# Altium PCB SEG_pressure gauge_don  V2.3.PcbDoc (part 3 of 4)
Units mil, origin at the board's own origin, x right, y up, seen from the top; angles counter-clockwise.
Board outline 2755.91 x 2755.91 mil, 2 copper layers (Top Layer, Bottom Layer); 36 components, 44 nets, 129 pads, 10 vias.
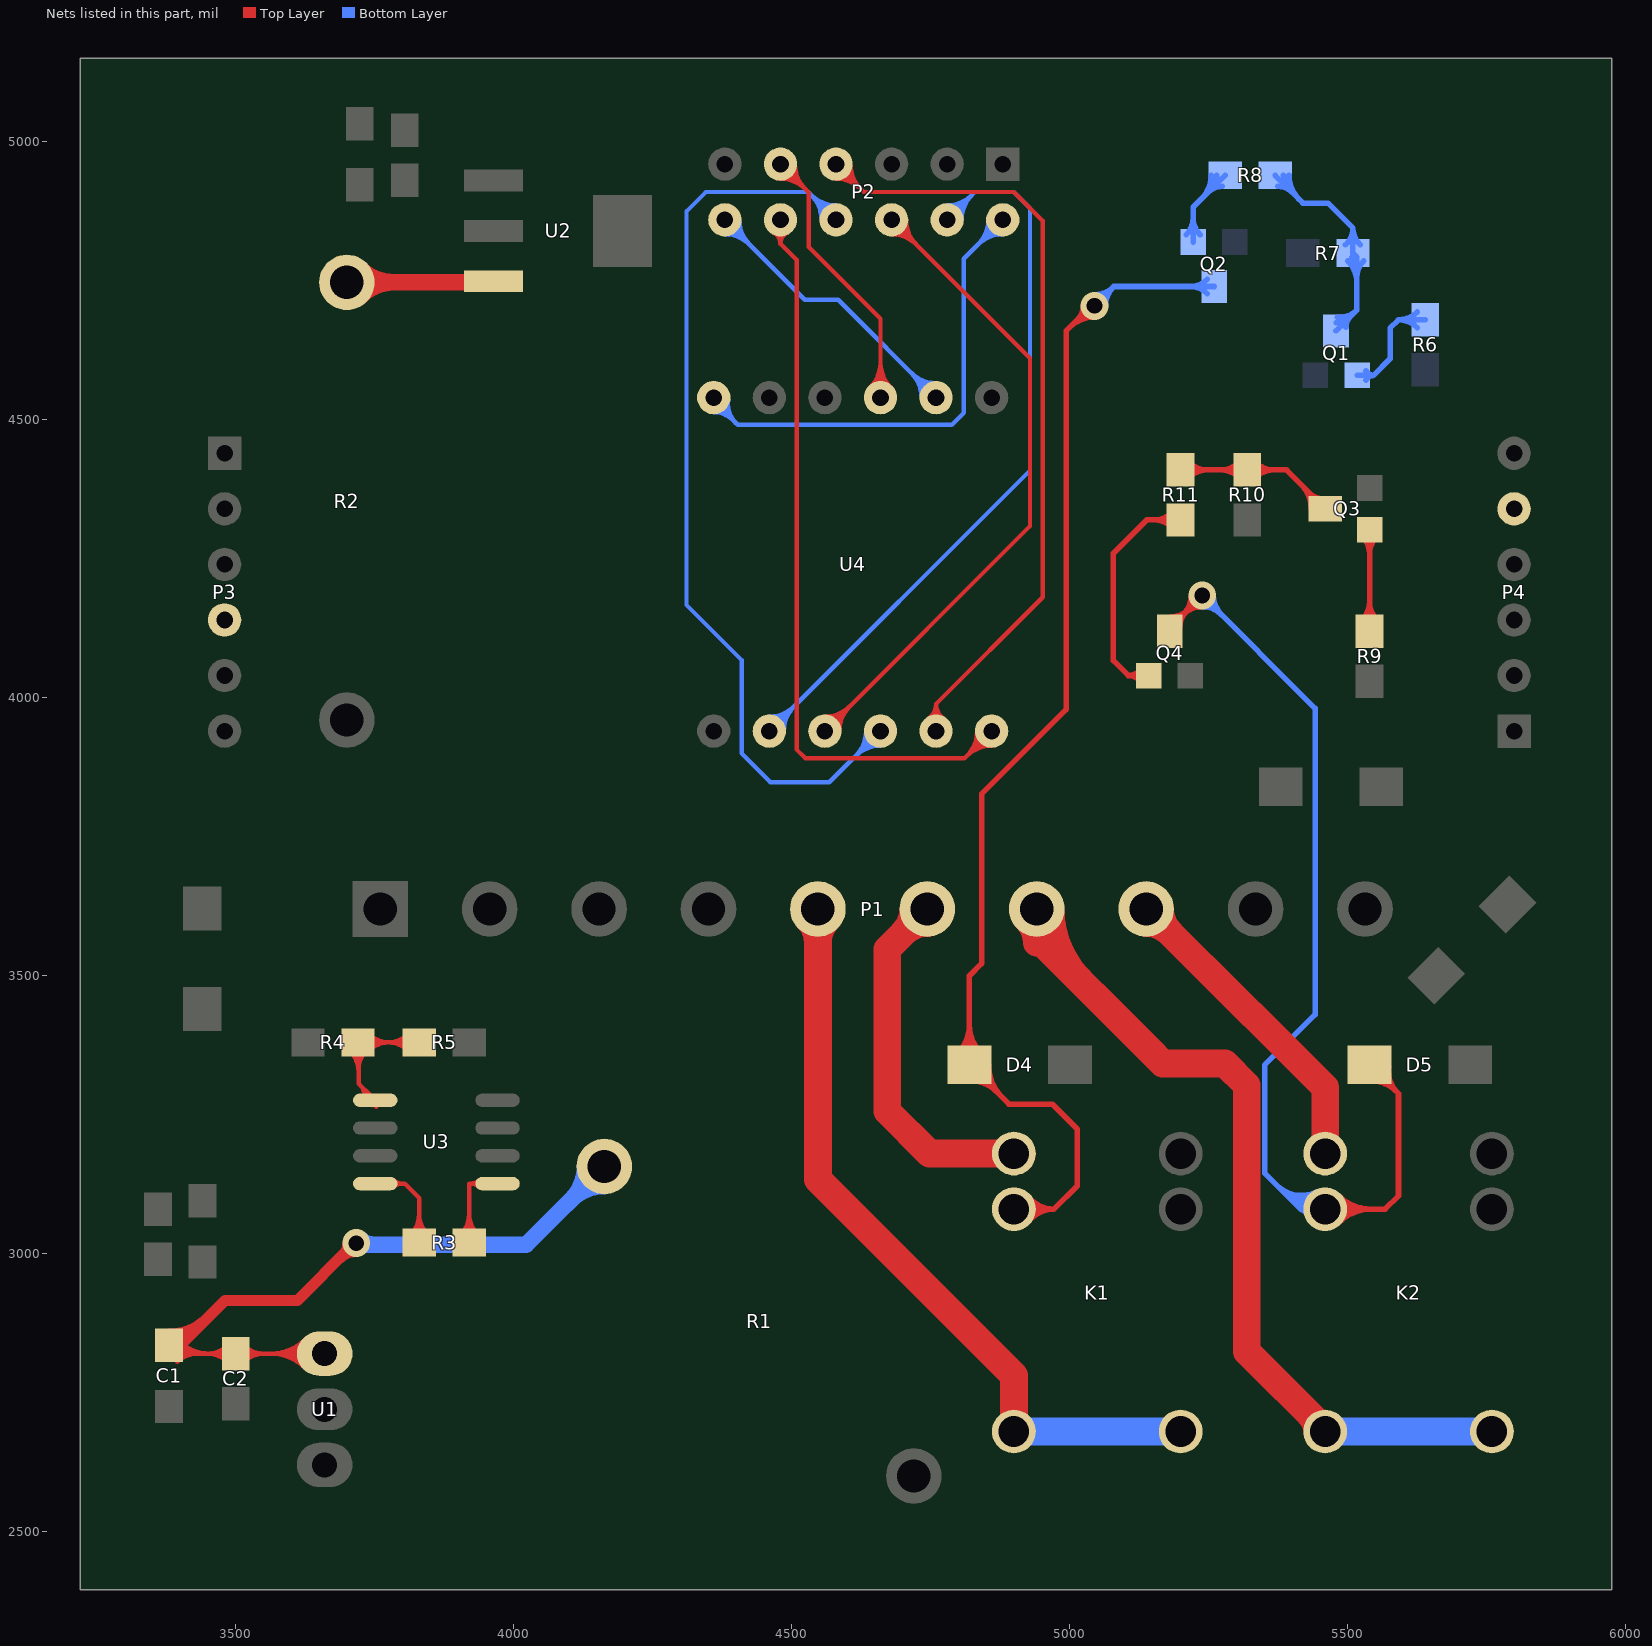
[diagram p3: the nets of this part, all layers, seen from the top]

## Via types
v1: diameter 50, hole 28, Top Layer to Bottom Layer, 7 vias
v2: diameter 50, hole 25, Top Layer to Bottom Layer, 2 vias
v3: diameter 31.5, hole 19.68, Top Layer to Bottom Layer, 1 vias

## Nets (pads, with @x,y where several pads share a name; then routed paths per layer and width w, separated by ;. In a path a pad name is that pad's centre, name@x,y a point inside that pad or via, vN(x,y) a via of type N, cw(c..) or ccw(c..) an arc to the next point about the centre after c; other vN are vias at no path point) (continued)
NetC1_1: C1.1 C2.1 R1.2 U1.1 | length 4542.2
  Top Layer w8: C1.1@3380,2820 U1.1@3668,2820 ; C1.1@3383.54,2833.54 ccw(c3416.21,2866.21) 3416.21,2820 ; C1.1@3383.54,2833.54 ccw(c3416.21,2866.21) 3416.21,2820 ; C1.1@3383.54,2833.54 ccw(c3416.21,2866.21) 3416.21,2820 ; C1.1@3389.19,2839.19 ccw(c3435.53,2885.53) 3435.53,2820 ; C1.1@3389.19,2839.19 ccw(c3435.53,2885.53) 3435.53,2820 ; C1.1@3389.19,2839.19 ccw(c3435.53,2885.53) 3435.53,2820 ; C1.1@3394.85,2815.15 cw(c3406.56,2803.44) 3406.56,2820 ; C1.1@3394.85,2815.15 cw(c3406.56,2803.44) 3406.56,2820 ; C1.1@3394.85,2815.15 cw(c3406.56,2803.44) 3406.56,2820 ; C1.1@3394.85,2844.85 ccw(c3454.84,2904.84) 3454.84,2820 ; C1.1@3394.85,2844.85 ccw(c3454.84,2904.84) 3454.84,2820 ; C1.1@3394.85,2844.85 ccw(c3454.84,2904.84) 3454.84,2820 ; 3411.38,2820 cw(c3411.38,2851.38) 3389.19,2829.19 ccw(c3411.38,2851.38) 3411.38,2820 ; 3411.38,2820 ccw(c3411.38,2788.62) 3389.19,2810.81 cw(c3411.38,2788.62) 3411.38,2820 ; 3430.7,2820 cw(c3430.7,2870.7) 3394.85,2834.85 ccw(c3430.7,2870.7) 3430.7,2820 ; 3430.7,2820 ccw(c3430.7,2769.3) 3394.85,2805.15 cw(c3430.7,2769.3) 3430.7,2820 ; 3449.3,2820 cw(c3449.3,2769.3) C2.1@3485.15,2805.15 ; 3449.3,2820 ccw(c3449.3,2870.7) C2.1@3485.15,2834.85 ; 3449.3,2820 cw(c3449.3,2769.3) C2.1@3485.15,2805.15 ; 3449.3,2820 ccw(c3449.3,2870.7) C2.1@3485.15,2834.85 ; 3449.3,2820 ccw(c3449.3,2870.7) C2.1@3485.15,2834.85 ; 3449.3,2820 cw(c3449.3,2769.3) C2.1@3485.15,2805.15 ; 3468.62,2820 cw(c3468.62,2788.62) C2.1@3490.81,2810.81 ; 3468.62,2820 ccw(c3468.62,2851.38) C2.1@3490.81,2829.19 ; 3468.62,2820 cw(c3468.62,2788.62) C2.1@3490.81,2810.81 ; 3468.62,2820 ccw(c3468.62,2851.38) C2.1@3490.81,2829.19 ; 3468.62,2820 ccw(c3468.62,2851.38) C2.1@3490.81,2829.19 ; 3468.62,2820 cw(c3468.62,2788.62) C2.1@3490.81,2810.81 ; C2.1@3509.19,2810.81 cw(c3531.38,2788.62) 3531.38,2820 ; C2.1@3509.19,2810.81 cw(c3531.38,2788.62) 3531.38,2820 ; C2.1@3509.19,2810.81 cw(c3531.38,2788.62) 3531.38,2820 ; C2.1@3509.19,2829.19 ccw(c3531.38,2851.38) 3531.38,2820 ; C2.1@3509.19,2829.19 ccw(c3531.38,2851.38) 3531.38,2820 ; C2.1@3509.19,2829.19 ccw(c3531.38,2851.38) 3531.38,2820 ; C2.1@3514.85,2805.15 cw(c3550.7,2769.3) 3550.7,2820 ; C2.1@3514.85,2805.15 cw(c3550.7,2769.3) 3550.7,2820 ; C2.1@3514.85,2805.15 cw(c3550.7,2769.3) 3550.7,2820 ; C2.1@3514.85,2834.85 ccw(c3550.7,2870.7) 3550.7,2820 ; C2.1@3514.85,2834.85 ccw(c3550.7,2870.7) 3550.7,2820 ; C2.1@3514.85,2834.85 ccw(c3550.7,2870.7) 3550.7,2820 ; 3563.09,2820 cw(c3563.09,2733.09) U1.1@3624.54,2794.54 ; 3563.09,2820 ccw(c3563.09,2906.91) U1.1@3624.54,2845.46 ; 3563.09,2820 cw(c3563.09,2733.09) U1.1@3624.54,2794.54 ; 3563.09,2820 ccw(c3563.09,2906.91) U1.1@3624.54,2845.46 ; 3563.09,2820 ccw(c3563.09,2906.91) U1.1@3624.54,2845.46 ; 3563.09,2820 cw(c3563.09,2733.09) U1.1@3624.54,2794.54 ; 3582.4,2820 cw(c3582.4,2752.4) U1.1@3630.2,2800.2 ; 3582.4,2820 ccw(c3582.4,2887.6) U1.1@3630.2,2839.8 ; 3582.4,2820 cw(c3582.4,2752.4) U1.1@3630.2,2800.2 ; 3582.4,2820 ccw(c3582.4,2887.6) U1.1@3630.2,2839.8 ; 3582.4,2820 ccw(c3582.4,2887.6) U1.1@3630.2,2839.8 ; 3582.4,2820 cw(c3582.4,2752.4) U1.1@3630.2,2800.2 ; 3601.72,2820 cw(c3601.72,2771.72) U1.1@3635.86,2805.86 ; 3601.72,2820 ccw(c3601.72,2868.28) U1.1@3635.86,2834.14 ; 3601.72,2820 cw(c3601.72,2771.72) U1.1@3635.86,2805.86 ; 3601.72,2820 ccw(c3601.72,2868.28) U1.1@3635.86,2834.14 ; 3601.72,2820 ccw(c3601.72,2868.28) U1.1@3635.86,2834.14 ; 3601.72,2820 cw(c3601.72,2771.72) U1.1@3635.86,2805.86
  Top Layer w20: C1.1@3400,2835 3481,2916 3611,2916 3705,3010 v1@3724,3010 ; C1.1@3380,2835 ccw(c3380,2883.28) 3414.14,2849.14 ; C1.1@3380,2835 ccw(c3380,2883.28) 3414.14,2849.14 ; C1.1@3380,2835 ccw(c3380,2883.28) 3414.14,2849.14 ; C1.1@3380,2855 ccw(c3380,2951.57) 3448.28,2883.28 ; C1.1@3380,2855 ccw(c3380,2951.57) 3448.28,2883.28 ; C1.1@3380,2855 ccw(c3380,2951.57) 3448.28,2883.28 ; 3686.27,2991.27 cw(c3717,2960.54) v1@3717,3004 ; 3686.27,2991.27 cw(c3717,2960.54) v1@3717,3004 ; 3686.27,2991.27 cw(c3717,2960.54) v1@3717,3004 ; 3693.51,2998.51 ccw(c3673.03,3019) v1@3702,3019 ; 3693.51,2998.51 ccw(c3673.03,3019) v1@3702,3019 ; 3693.51,2998.51 ccw(c3673.03,3019) v1@3702,3019
  Bottom Layer w30: v1@3713,3016 3953,3016 4022.45,3016 R1.2@4164.22,3157.78 ; v1@3724.07,3026.07 ccw(c3748.38,3050.38) 3748.38,3016 ; v1@3724.07,3026.07 ccw(c3748.38,3050.38) 3748.38,3016 ; v1@3724.07,3026.07 ccw(c3748.38,3050.38) 3748.38,3016 ; 4103.47,3097.03 cw(c4163.22,3037.28) 4163.22,3121.78 ccw(c4163.22,3037.28) 4103.47,3097.03 ; 4103.47,3097.03 ccw(c4043.73,3156.78) 4128.22,3156.78 cw(c4043.73,3156.78) 4103.47,3097.03
  other v1: 3717,3019
NetD4_1: D4.1 K1.5 Q2.3 | length 4552.2
  Top Layer w10: K1.5@4900,3080 4972,3080 ; v1@5036,4702 4994,4660 4994,3979 4842,3827 4842,3522 4820,3500 D4.1@4820,3340 4891,3269 4969,3269 5014,3224 5014,3122 4972,3080 ; D4.1@4799.18,3360.82 ccw(c4748.9,3411.1) 4820,3411.1 ; D4.1@4799.18,3360.82 ccw(c4748.9,3411.1) 4820,3411.1 ; D4.1@4799.18,3360.82 ccw(c4748.9,3411.1) 4820,3411.1 ; D4.1@4806.25,3353.75 ccw(c4773.05,3386.95) 4820,3386.95 ; D4.1@4806.25,3353.75 ccw(c4773.05,3386.95) 4820,3386.95 ; D4.1@4806.25,3353.75 ccw(c4773.05,3386.95) 4820,3386.95 ; 4820,3386.95 ccw(c4866.95,3386.95) D4.1@4833.75,3353.75 ; 4820,3386.95 ccw(c4866.95,3386.95) D4.1@4833.75,3353.75 ; 4820,3386.95 ccw(c4866.95,3386.95) D4.1@4833.75,3353.75 ; 4820,3411.1 ccw(c4891.1,3411.1) D4.1@4840.82,3360.82 ; 4820,3411.1 ccw(c4891.1,3411.1) D4.1@4840.82,3360.82 ; 4820,3411.1 ccw(c4891.1,3411.1) D4.1@4840.82,3360.82 ; D4.1@4824.92,3310.55 cw(c4824.92,3251.34) 4866.79,3293.21 ; D4.1@4824.92,3310.55 cw(c4824.92,3251.34) 4866.79,3293.21 ; D4.1@4824.92,3310.55 cw(c4824.92,3251.34) 4866.79,3293.21 ; D4.1@4824.92,3320.55 cw(c4824.92,3285.48) D4.1@4849.72,3310.28 ; D4.1@4824.92,3320.55 cw(c4824.92,3285.48) D4.1@4849.72,3310.28 ; D4.1@4824.92,3320.55 cw(c4824.92,3285.48) D4.1@4849.72,3310.28 ; D4.1@4844.37,3340 ccw(c4903.2,3340) 4861.6,3298.4 ; D4.1@4844.37,3340 ccw(c4903.2,3340) 4861.6,3298.4 ; D4.1@4844.37,3340 ccw(c4903.2,3340) 4861.6,3298.4 ; D4.1@4854.37,3340 ccw(c4937.35,3340) 4878.67,3281.33 ; D4.1@4854.37,3340 ccw(c4937.35,3340) 4878.67,3281.33 ; D4.1@4854.37,3340 ccw(c4937.35,3340) 4878.67,3281.33 ; K1.5@4918.95,3064.68 cw(c4951.05,3038.72) 4951.05,3080 ; K1.5@4918.95,3064.68 cw(c4951.05,3038.72) 4951.05,3080 ; K1.5@4918.95,3064.68 cw(c4951.05,3038.72) 4951.05,3080 ; K1.5@4918.95,3095.32 ccw(c4951.05,3121.28) 4951.05,3080 ; K1.5@4918.95,3095.32 ccw(c4951.05,3121.28) 4951.05,3080 ; K1.5@4918.95,3095.32 ccw(c4951.05,3121.28) 4951.05,3080 ; K1.5@4926.72,3058.39 cw(c4972,3021.78) 4972,3080 ; K1.5@4926.72,3058.39 cw(c4972,3021.78) 4972,3080 ; K1.5@4926.72,3058.39 cw(c4972,3021.78) 4972,3080 ; K1.5@4926.72,3101.61 ccw(c4972,3138.22) 4972,3080 ; K1.5@4926.72,3101.61 ccw(c4972,3138.22) 4972,3080 ; K1.5@4926.72,3101.61 ccw(c4972,3138.22) 4972,3080 ; 5000.62,4666.62 cw(c5045,4622.23) v1@5045,4685 ; 5000.62,4666.62 cw(c5045,4622.23) v1@5045,4685 ; 5000.62,4666.62 cw(c5045,4622.23) v1@5045,4685 ; 5015.1,4681.1 ccw(c4991.2,4705) v1@5025,4705 ; 5015.1,4681.1 ccw(c4991.2,4705) v1@5025,4705 ; 5015.1,4681.1 ccw(c4991.2,4705) v1@5025,4705 ; 5017.69,4683.69 cw(c5045,4656.37) v1@5045,4695 ; 5017.69,4683.69 cw(c5045,4656.37) v1@5045,4695 ; 5017.69,4683.69 cw(c5045,4656.37) v1@5045,4695
  Bottom Layer w10: v1(5045,4705) 5080,4740 Q2.3@5260.5,4740 ; v1@5045,4725 ccw(c5045,4773.28) 5079.14,4739.14 ; v1@5045,4725 ccw(c5045,4773.28) 5079.14,4739.14 ; v1@5045,4725 ccw(c5045,4773.28) 5079.14,4739.14 ; v1@5065,4705 cw(c5113.28,4705) 5079.14,4739.14 ; v1@5065,4705 cw(c5113.28,4705) 5079.14,4739.14 ; v1@5065,4705 cw(c5113.28,4705) 5079.14,4739.14 ; 5217.04,4740 cw(c5217.04,4696.54) Q2.3@5247.77,4727.27 ; 5217.04,4740 ccw(c5217.04,4783.46) Q2.3@5247.77,4752.73 ; 5217.04,4740 cw(c5217.04,4696.54) Q2.3@5247.77,4727.27 ; 5217.04,4740 ccw(c5217.04,4783.46) Q2.3@5247.77,4752.73 ; 5217.04,4740 ccw(c5217.04,4783.46) Q2.3@5247.77,4752.73 ; 5217.04,4740 cw(c5217.04,4696.54) Q2.3@5247.77,4727.27
NetD5_1: D5.1 K2.5 Q4.3 | length 4579.1
  Top Layer w10: Q4.3@5180.5,4120 5180.5,4125.5 v1(5239,4184) ; K2.5@5460,3080 5568,3080 5592,3104 5592,3288 D5.1@5540,3340 ; Q4.3@5180.5,4145 ccw(c5180.5,4192.08) 5213.79,4158.79 ; Q4.3@5180.5,4145 ccw(c5180.5,4192.08) 5213.79,4158.79 ; Q4.3@5180.5,4145 ccw(c5180.5,4192.08) 5213.79,4158.79 ; Q4.3@5198.5,4127 cw(c5238.33,4127) 5210.17,4155.17 ; Q4.3@5198.5,4127 cw(c5238.33,4127) 5210.17,4155.17 ; Q4.3@5198.5,4127 cw(c5238.33,4127) 5210.17,4155.17 ; 5204.86,4149.86 cw(c5239,4115.72) v1@5239,4164 ; 5204.86,4149.86 ccw(c5170.72,4184) v1@5219,4184 ; 5204.86,4149.86 cw(c5239,4115.72) v1@5239,4164 ; 5204.86,4149.86 ccw(c5170.72,4184) v1@5219,4184 ; 5204.86,4149.86 ccw(c5170.72,4184) v1@5219,4184 ; 5204.86,4149.86 cw(c5239,4115.72) v1@5239,4164 ; K2.5@5477.23,3062.77 cw(c5518.83,3021.17) 5518.83,3080 ; K2.5@5477.23,3062.77 cw(c5518.83,3021.17) 5518.83,3080 ; K2.5@5477.23,3062.77 cw(c5518.83,3021.17) 5518.83,3080 ; K2.5@5477.23,3097.23 ccw(c5518.83,3138.83) 5518.83,3080 ; K2.5@5477.23,3097.23 ccw(c5518.83,3138.83) 5518.83,3080 ; K2.5@5477.23,3097.23 ccw(c5518.83,3138.83) 5518.83,3080 ; K2.5@5484.3,3055.7 cw(c5542.98,2997.02) 5542.98,3080 ; K2.5@5484.3,3055.7 cw(c5542.98,2997.02) 5542.98,3080 ; K2.5@5484.3,3055.7 cw(c5542.98,2997.02) 5542.98,3080 ; K2.5@5484.3,3104.3 ccw(c5542.98,3162.98) 5542.98,3080 ; K2.5@5484.3,3104.3 ccw(c5542.98,3162.98) 5542.98,3080 ; K2.5@5484.3,3104.3 ccw(c5542.98,3162.98) 5542.98,3080 ; D5.1@5544.92,3310.55 cw(c5544.92,3251.34) 5586.79,3293.21 ; D5.1@5544.92,3310.55 cw(c5544.92,3251.34) 5586.79,3293.21 ; D5.1@5544.92,3310.55 cw(c5544.92,3251.34) 5586.79,3293.21 ; D5.1@5544.92,3320.55 cw(c5544.92,3285.48) D5.1@5569.72,3310.28 ; D5.1@5544.92,3320.55 cw(c5544.92,3285.48) D5.1@5569.72,3310.28 ; D5.1@5544.92,3320.55 cw(c5544.92,3285.48) D5.1@5569.72,3310.28 ; D5.1@5564.2,3337.42 ccw(c5602.73,3332.25) 5575.24,3304.76 ; D5.1@5564.2,3337.42 ccw(c5602.73,3332.25) 5575.24,3304.76 ; D5.1@5564.2,3337.42 ccw(c5602.73,3332.25) 5575.24,3304.76 ; D5.1@5574.11,3336.09 ccw(c5627.95,3328.87) 5589.54,3290.46 ; D5.1@5574.11,3336.09 ccw(c5627.95,3328.87) 5589.54,3290.46 ; D5.1@5574.11,3336.09 ccw(c5627.95,3328.87) 5589.54,3290.46
  Bottom Layer w10: v1(5239,4184) 5442,3981 5442,3430 5351,3339 5351,3145 5416,3080 K2.5@5460,3080 ; v1@5239,4164 cw(c5239,4115.72) 5273.14,4149.86 ; v1@5239,4164 cw(c5239,4115.72) 5273.14,4149.86 ; v1@5239,4164 cw(c5239,4115.72) 5273.14,4149.86 ; v1@5259,4184 ccw(c5307.28,4184) 5273.14,4149.86 ; v1@5259,4184 ccw(c5307.28,4184) 5273.14,4149.86 ; v1@5259,4184 ccw(c5307.28,4184) 5273.14,4149.86 ; 5373,3123 ccw(c5417.47,3167.47) K2.5@5444.97,3110.91 ; 5373,3123 ccw(c5417.47,3167.47) K2.5@5444.97,3110.91 ; 5373,3123 ccw(c5417.47,3167.47) K2.5@5444.97,3110.91 ; 5382.93,3113.07 ccw(c5423.97,3154.11) K2.5@5449.34,3101.92 ; 5382.93,3113.07 ccw(c5423.97,3154.11) K2.5@5449.34,3101.92 ; 5382.93,3113.07 ccw(c5423.97,3154.11) K2.5@5449.34,3101.92 ; 5392.85,3103.15 ccw(c5430.46,3140.75) K2.5@5453.72,3092.92 ; 5392.85,3103.15 ccw(c5430.46,3140.75) K2.5@5453.72,3092.92 ; 5392.85,3103.15 ccw(c5430.46,3140.75) K2.5@5453.72,3092.92 ; 5402.78,3093.22 ccw(c5436.95,3127.39) K2.5@5458.09,3083.93 ; 5402.78,3093.22 ccw(c5436.95,3127.39) K2.5@5458.09,3083.93 ; 5402.78,3093.22 ccw(c5436.95,3127.39) K2.5@5458.09,3083.93 ; 5412.71,3083.29 ccw(c5443.45,3114.04) K2.5@5462.46,3074.94 ; 5412.71,3083.29 ccw(c5443.45,3114.04) K2.5@5462.46,3074.94 ; 5412.71,3083.29 ccw(c5443.45,3114.04) K2.5@5462.46,3074.94
NetQ1_1: Q1.1 R6.1 | length 521.4
  Bottom Layer w10: Q1.1@5517.5,4580 5547,4580 ; R6.1@5640,4680 5592,4680 ; Q1.1@5533.51,4571.77 cw(c5547,4564.83) 5547,4580 ; Q1.1@5533.51,4571.77 cw(c5547,4564.83) 5547,4580 ; Q1.1@5533.51,4571.77 cw(c5547,4564.83) 5547,4580 ; Q1.1@5533.51,4588.23 ccw(c5547,4595.17) 5547,4580 ; Q1.1@5533.51,4588.23 ccw(c5547,4595.17) 5547,4580 ; Q1.1@5533.51,4588.23 ccw(c5547,4595.17) 5547,4580 ; 5547,4580 5577,4610 5577,4665 5592,4680 ; 5592,4680 cw(c5592,4632.41) R6.1@5625.8,4665.92 ; 5592,4680 ccw(c5592,4727.59) R6.1@5625.8,4694.08 ; 5592,4680 cw(c5592,4632.41) R6.1@5625.8,4665.92 ; 5592,4680 ccw(c5592,4727.59) R6.1@5625.8,4694.08 ; 5592,4680 ccw(c5592,4727.59) R6.1@5625.8,4694.08 ; 5592,4680 cw(c5592,4632.41) R6.1@5625.8,4665.92
NetQ1_3: Q1.3 R7.2 R8.2 | length 1451.6
  Bottom Layer w10: R8.2@5370,4940 5420,4890 5465,4890 5510,4845 ; Q1.3@5479.5,4660 5517,4697.5 ; R8.2@5375,4920 cw(c5375,4883.79) 5400.61,4909.39 ; R8.2@5375,4920 cw(c5375,4883.79) 5400.61,4909.39 ; R8.2@5375,4920 cw(c5375,4883.79) 5400.61,4909.39 ; R8.2@5385,4940 ccw(c5421.21,4940) 5395.61,4914.39 ; R8.2@5385,4940 ccw(c5421.21,4940) 5395.61,4914.39 ; R8.2@5385,4940 ccw(c5421.21,4940) 5395.61,4914.39 ; R8.2@5395,4940 ccw(c5455.36,4940) 5412.68,4897.32 ; R8.2@5395,4940 ccw(c5455.36,4940) 5412.68,4897.32 ; R8.2@5395,4940 ccw(c5455.36,4940) 5412.68,4897.32 ; Q1.3@5480.34,4674.96 ccw(c5483.17,4701.7) Q1.3@5502.18,4682.68 ; Q1.3@5480.34,4674.96 ccw(c5483.17,4701.7) Q1.3@5502.18,4682.68 ; Q1.3@5480.34,4674.96 ccw(c5483.17,4701.7) Q1.3@5502.18,4682.68 ; Q1.3@5481.39,4684.9 ccw(c5486,4728.5) 5517,4697.5 ; Q1.3@5481.39,4684.9 ccw(c5486,4728.5) 5517,4697.5 ; Q1.3@5481.39,4684.9 ccw(c5486,4728.5) 5517,4697.5 ; R7.2@5496.6,4814.85 ccw(c5469.38,4845) 5510,4845 ; R7.2@5496.6,4814.85 ccw(c5469.38,4845) 5510,4845 ; R7.2@5496.6,4814.85 ccw(c5469.38,4845) 5510,4845 ; Q1.3@5497.5,4667 cw(c5524.06,4667) 5505.28,4685.78 ; Q1.3@5497.5,4667 cw(c5524.06,4667) 5505.28,4685.78 ; Q1.3@5497.5,4667 cw(c5524.06,4667) 5505.28,4685.78 ; R7.2@5500.86,4785.86 cw(c5461.89,4746.89) 5517,4746.89 ; R7.2@5500.86,4785.86 cw(c5461.89,4746.89) 5517,4746.89 ; R7.2@5500.86,4785.86 cw(c5461.89,4746.89) 5517,4746.89 ; R7.2@5507.93,4792.93 cw(c5486.03,4771.03) 5517,4771.03 ; R7.2@5507.93,4792.93 cw(c5486.03,4771.03) 5517,4771.03 ; R7.2@5507.93,4792.93 cw(c5486.03,4771.03) 5517,4771.03 ; 5510,4845 ccw(c5550.62,4845) R7.2@5523.4,4814.85 ; 5510,4845 ccw(c5550.62,4845) R7.2@5523.4,4814.85 ; 5510,4845 ccw(c5550.62,4845) R7.2@5523.4,4814.85 ; 5510,4845 R7.2@5510,4800 5517,4793 5517,4697.5 ; 5517,4756.54 cw(c5558.46,4756.54) R7.2@5529.14,4785.86 ; 5517,4756.54 cw(c5558.46,4756.54) R7.2@5529.14,4785.86 ; 5517,4756.54 cw(c5558.46,4756.54) R7.2@5529.14,4785.86
NetQ2_1: Q2.1 R8.1 | length 661.5
  Bottom Layer w10: Q2.1@5222.5,4820 5222.5,4882.5 R8.1@5280,4940 ; Q2.1@5209.77,4832.73 ccw(c5179.04,4863.46) 5222.5,4863.46 ; Q2.1@5209.77,4832.73 ccw(c5179.04,4863.46) 5222.5,4863.46 ; Q2.1@5209.77,4832.73 ccw(c5179.04,4863.46) 5222.5,4863.46 ; 5222.5,4863.46 ccw(c5265.96,4863.46) Q2.1@5235.23,4832.73 ; 5222.5,4863.46 ccw(c5265.96,4863.46) Q2.1@5235.23,4832.73 ; 5222.5,4863.46 ccw(c5265.96,4863.46) Q2.1@5235.23,4832.73 ; 5237.32,4897.32 ccw(c5194.64,4940) R8.1@5255,4940 ; 5237.32,4897.32 ccw(c5194.64,4940) R8.1@5255,4940 ; 5237.32,4897.32 ccw(c5194.64,4940) R8.1@5255,4940 ; 5249.39,4909.39 cw(c5275,4883.79) R8.1@5275,4920 ; 5249.39,4909.39 cw(c5275,4883.79) R8.1@5275,4920 ; 5249.39,4909.39 cw(c5275,4883.79) R8.1@5275,4920 ; 5254.39,4914.39 ccw(c5228.79,4940) R8.1@5265,4940 ; 5254.39,4914.39 ccw(c5228.79,4940) R8.1@5265,4940 ; 5254.39,4914.39 ccw(c5228.79,4940) R8.1@5265,4940
NetQ3_1: Q3.1 R9.1 | length 614.8
  Top Layer w10: R9.1@5540,4120 Q3.1@5540,4302.5 ; R9.1@5525.86,4139.14 ccw(c5491.72,4173.28) 5540,4173.28 ; R9.1@5525.86,4139.14 ccw(c5491.72,4173.28) 5540,4173.28 ; R9.1@5525.86,4139.14 ccw(c5491.72,4173.28) 5540,4173.28 ; Q3.1@5527.27,4289.77 cw(c5496.54,4259.04) 5540,4259.04 ; Q3.1@5527.27,4289.77 cw(c5496.54,4259.04) 5540,4259.04 ; Q3.1@5527.27,4289.77 cw(c5496.54,4259.04) 5540,4259.04 ; 5540,4173.28 ccw(c5588.28,4173.28) R9.1@5554.14,4139.14 ; 5540,4173.28 ccw(c5588.28,4173.28) R9.1@5554.14,4139.14 ; 5540,4173.28 ccw(c5588.28,4173.28) R9.1@5554.14,4139.14 ; 5540,4259.04 cw(c5583.46,4259.04) Q3.1@5552.73,4289.77 ; 5540,4259.04 cw(c5583.46,4259.04) Q3.1@5552.73,4289.77 ; 5540,4259.04 cw(c5583.46,4259.04) Q3.1@5552.73,4289.77
NetQ3_3: Q3.3 R10.2 R11.2 | length 1261.5
  Top Layer w10: R11.2@5200,4410 R10.2@5320,4410 5390.5,4410 Q3.3@5460,4340.5 ; R11.2@5214.14,4395.86 cw(c5248.28,4361.72) 5248.28,4410 ; R11.2@5214.14,4395.86 cw(c5248.28,4361.72) 5248.28,4410 ; R11.2@5214.14,4395.86 cw(c5248.28,4361.72) 5248.28,4410 ; R11.2@5214.14,4424.14 ccw(c5248.28,4458.28) 5248.28,4410 ; R11.2@5214.14,4424.14 ccw(c5248.28,4458.28) 5248.28,4410 ; R11.2@5214.14,4424.14 ccw(c5248.28,4458.28) 5248.28,4410 ; 5271.72,4410 cw(c5271.72,4361.72) R10.2@5305.86,4395.86 ; 5271.72,4410 ccw(c5271.72,4458.28) R10.2@5305.86,4424.14 ; 5271.72,4410 cw(c5271.72,4361.72) R10.2@5305.86,4395.86 ; 5271.72,4410 ccw(c5271.72,4458.28) R10.2@5305.86,4424.14 ; 5271.72,4410 ccw(c5271.72,4458.28) R10.2@5305.86,4424.14 ; 5271.72,4410 cw(c5271.72,4361.72) R10.2@5305.86,4395.86 ; R10.2@5334.14,4395.86 cw(c5368.28,4361.72) 5368.28,4410 ; R10.2@5334.14,4395.86 cw(c5368.28,4361.72) 5368.28,4410 ; R10.2@5334.14,4395.86 cw(c5368.28,4361.72) 5368.28,4410 ; R10.2@5334.14,4424.14 ccw(c5368.28,4458.28) 5368.28,4410 ; R10.2@5334.14,4424.14 ccw(c5368.28,4458.28) 5368.28,4410 ; R10.2@5334.14,4424.14 ccw(c5368.28,4458.28) 5368.28,4410 ; 5417.32,4383.18 cw(c5374.64,4340.5) Q3.3@5435,4340.5 ; 5417.32,4383.18 cw(c5374.64,4340.5) Q3.3@5435,4340.5 ; 5417.32,4383.18 cw(c5374.64,4340.5) Q3.3@5435,4340.5 ; 5434.22,4366.28 ccw(c5453,4385.06) Q3.3@5453,4358.5 ; 5434.22,4366.28 ccw(c5453,4385.06) Q3.3@5453,4358.5 ; 5434.22,4366.28 ccw(c5453,4385.06) Q3.3@5453,4358.5 ; 5434.39,4366.11 cw(c5408.79,4340.5) Q3.3@5445,4340.5 ; 5434.39,4366.11 cw(c5408.79,4340.5) Q3.3@5445,4340.5 ; 5434.39,4366.11 cw(c5408.79,4340.5) Q3.3@5445,4340.5
NetQ4_1: Q4.1 R11.1 | length 795
  Top Layer w10: Q4.1@5142.5,4040 5106,4040 ; R11.1@5200,4320 5139,4320 5079,4260 5079,4067 5106,4040 ; 5106,4040 cw(c5106,4012) Q4.1@5128.22,4029.04 ; 5106,4040 ccw(c5106,4068) Q4.1@5128.22,4050.96 ; 5106,4040 cw(c5106,4012) Q4.1@5128.22,4029.04 ; 5106,4040 ccw(c5106,4068) Q4.1@5128.22,4050.96 ; 5106,4040 ccw(c5106,4068) Q4.1@5128.22,4050.96 ; 5106,4040 cw(c5106,4012) Q4.1@5128.22,4029.04 ; 5151.72,4320 cw(c5151.72,4271.72) R11.1@5185.86,4305.86 ; 5151.72,4320 ccw(c5151.72,4368.28) R11.1@5185.86,4334.14 ; 5151.72,4320 cw(c5151.72,4271.72) R11.1@5185.86,4305.86 ; 5151.72,4320 ccw(c5151.72,4368.28) R11.1@5185.86,4334.14 ; 5151.72,4320 ccw(c5151.72,4368.28) R11.1@5185.86,4334.14 ; 5151.72,4320 cw(c5151.72,4271.72) R11.1@5185.86,4305.86
NetR2_2: R2.2 U2.3 | length 928.3
  Top Layer w10: U2.3@3961.81,4747.4 U2.3@3963.86,4749.45
  Top Layer w30: R2.2@3700,4747.4 U2.3@3961.81,4747.4 ; R2.2@3724.75,4722.65 cw(c3784.5,4662.9) 3784.5,4747.4 ; R2.2@3724.75,4722.65 cw(c3784.5,4662.9) 3784.5,4747.4 ; R2.2@3724.75,4722.65 cw(c3784.5,4662.9) 3784.5,4747.4 ; R2.2@3724.75,4722.65 cw(c3784.5,4662.9) 3784.5,4747.4 ; R2.2@3724.75,4722.65 cw(c3784.5,4662.9) 3784.5,4747.4 ; R2.2@3724.75,4772.15 ccw(c3784.5,4831.9) 3784.5,4747.4 ; R2.2@3724.75,4772.15 ccw(c3784.5,4831.9) 3784.5,4747.4 ; R2.2@3724.75,4772.15 ccw(c3784.5,4831.9) 3784.5,4747.4 ; R2.2@3724.75,4772.15 ccw(c3784.5,4831.9) 3784.5,4747.4 ; R2.2@3724.75,4772.15 ccw(c3784.5,4831.9) 3784.5,4747.4
NetR3_1: R3.1 U3.1 | length 953.4
  Top Layer w8: R3.1@3920,3020 3920,3126 U3.1@3971,3126 ; R3.1@3905.15,3034.85 ccw(c3869.3,3070.7) 3920,3070.7 ; R3.1@3905.15,3034.85 ccw(c3869.3,3070.7) 3920,3070.7 ; R3.1@3905.15,3034.85 ccw(c3869.3,3070.7) 3920,3070.7 ; R3.1@3905.15,3034.85 ccw(c3869.3,3070.7) 3920,3070.7 ; R3.1@3905.15,3034.85 ccw(c3869.3,3070.7) 3920,3070.7 ; R3.1@3910.81,3029.19 ccw(c3888.62,3051.38) 3920,3051.38 ; R3.1@3910.81,3029.19 ccw(c3888.62,3051.38) 3920,3051.38 ; R3.1@3910.81,3029.19 ccw(c3888.62,3051.38) 3920,3051.38 ; R3.1@3910.81,3029.19 ccw(c3888.62,3051.38) 3920,3051.38 ; R3.1@3910.81,3029.19 ccw(c3888.62,3051.38) 3920,3051.38 ; 3920,3051.38 ccw(c3951.38,3051.38) R3.1@3929.19,3029.19 ; 3920,3051.38 ccw(c3951.38,3051.38) R3.1@3929.19,3029.19 ; 3920,3051.38 ccw(c3951.38,3051.38) R3.1@3929.19,3029.19 ; 3920,3051.38 ccw(c3951.38,3051.38) R3.1@3929.19,3029.19 ; 3920,3051.38 ccw(c3951.38,3051.38) R3.1@3929.19,3029.19 ; 3920,3070.7 ccw(c3970.7,3070.7) R3.1@3934.85,3034.85 ; 3920,3070.7 ccw(c3970.7,3070.7) R3.1@3934.85,3034.85 ; 3920,3070.7 ccw(c3970.7,3070.7) R3.1@3934.85,3034.85 ; 3920,3070.7 ccw(c3970.7,3070.7) R3.1@3934.85,3034.85 ; 3920,3070.7 ccw(c3970.7,3070.7) R3.1@3934.85,3034.85 ; 3923.69,3126 cw(c3923.69,3106.69) U3.1@3937.34,3120.34 ; 3923.69,3126 ccw(c3923.69,3145.31) U3.1@3937.34,3131.66 ; 3923.69,3126 cw(c3923.69,3106.69) U3.1@3937.34,3120.34 ; 3923.69,3126 ccw(c3923.69,3145.31) U3.1@3937.34,3131.66 ; 3923.69,3126 cw(c3923.69,3106.69) U3.1@3937.34,3120.34 ; 3923.69,3126 ccw(c3923.69,3145.31) U3.1@3937.34,3131.66 ; 3923.69,3126 ccw(c3923.69,3145.31) U3.1@3937.34,3131.66 ; 3923.69,3126 cw(c3923.69,3106.69) U3.1@3937.34,3120.34 ; 3923.69,3126 ccw(c3923.69,3145.31) U3.1@3937.34,3131.66 ; 3923.69,3126 cw(c3923.69,3106.69) U3.1@3937.34,3120.34